# Altium PCB PCB2.PcbDoc (part 3 of 3)
Units mil, origin at the board's own origin, x right, y up, seen from the top; angles counter-clockwise.
Board outline 1953.01 x 1952 mil, 6 copper layers (Top Layer, Layer 1, Layer 3, Layer 4, Layer 2, Bottom Layer), stack 46.352 mil thick; 47 components, 102 nets, 392 pads, 264 vias.
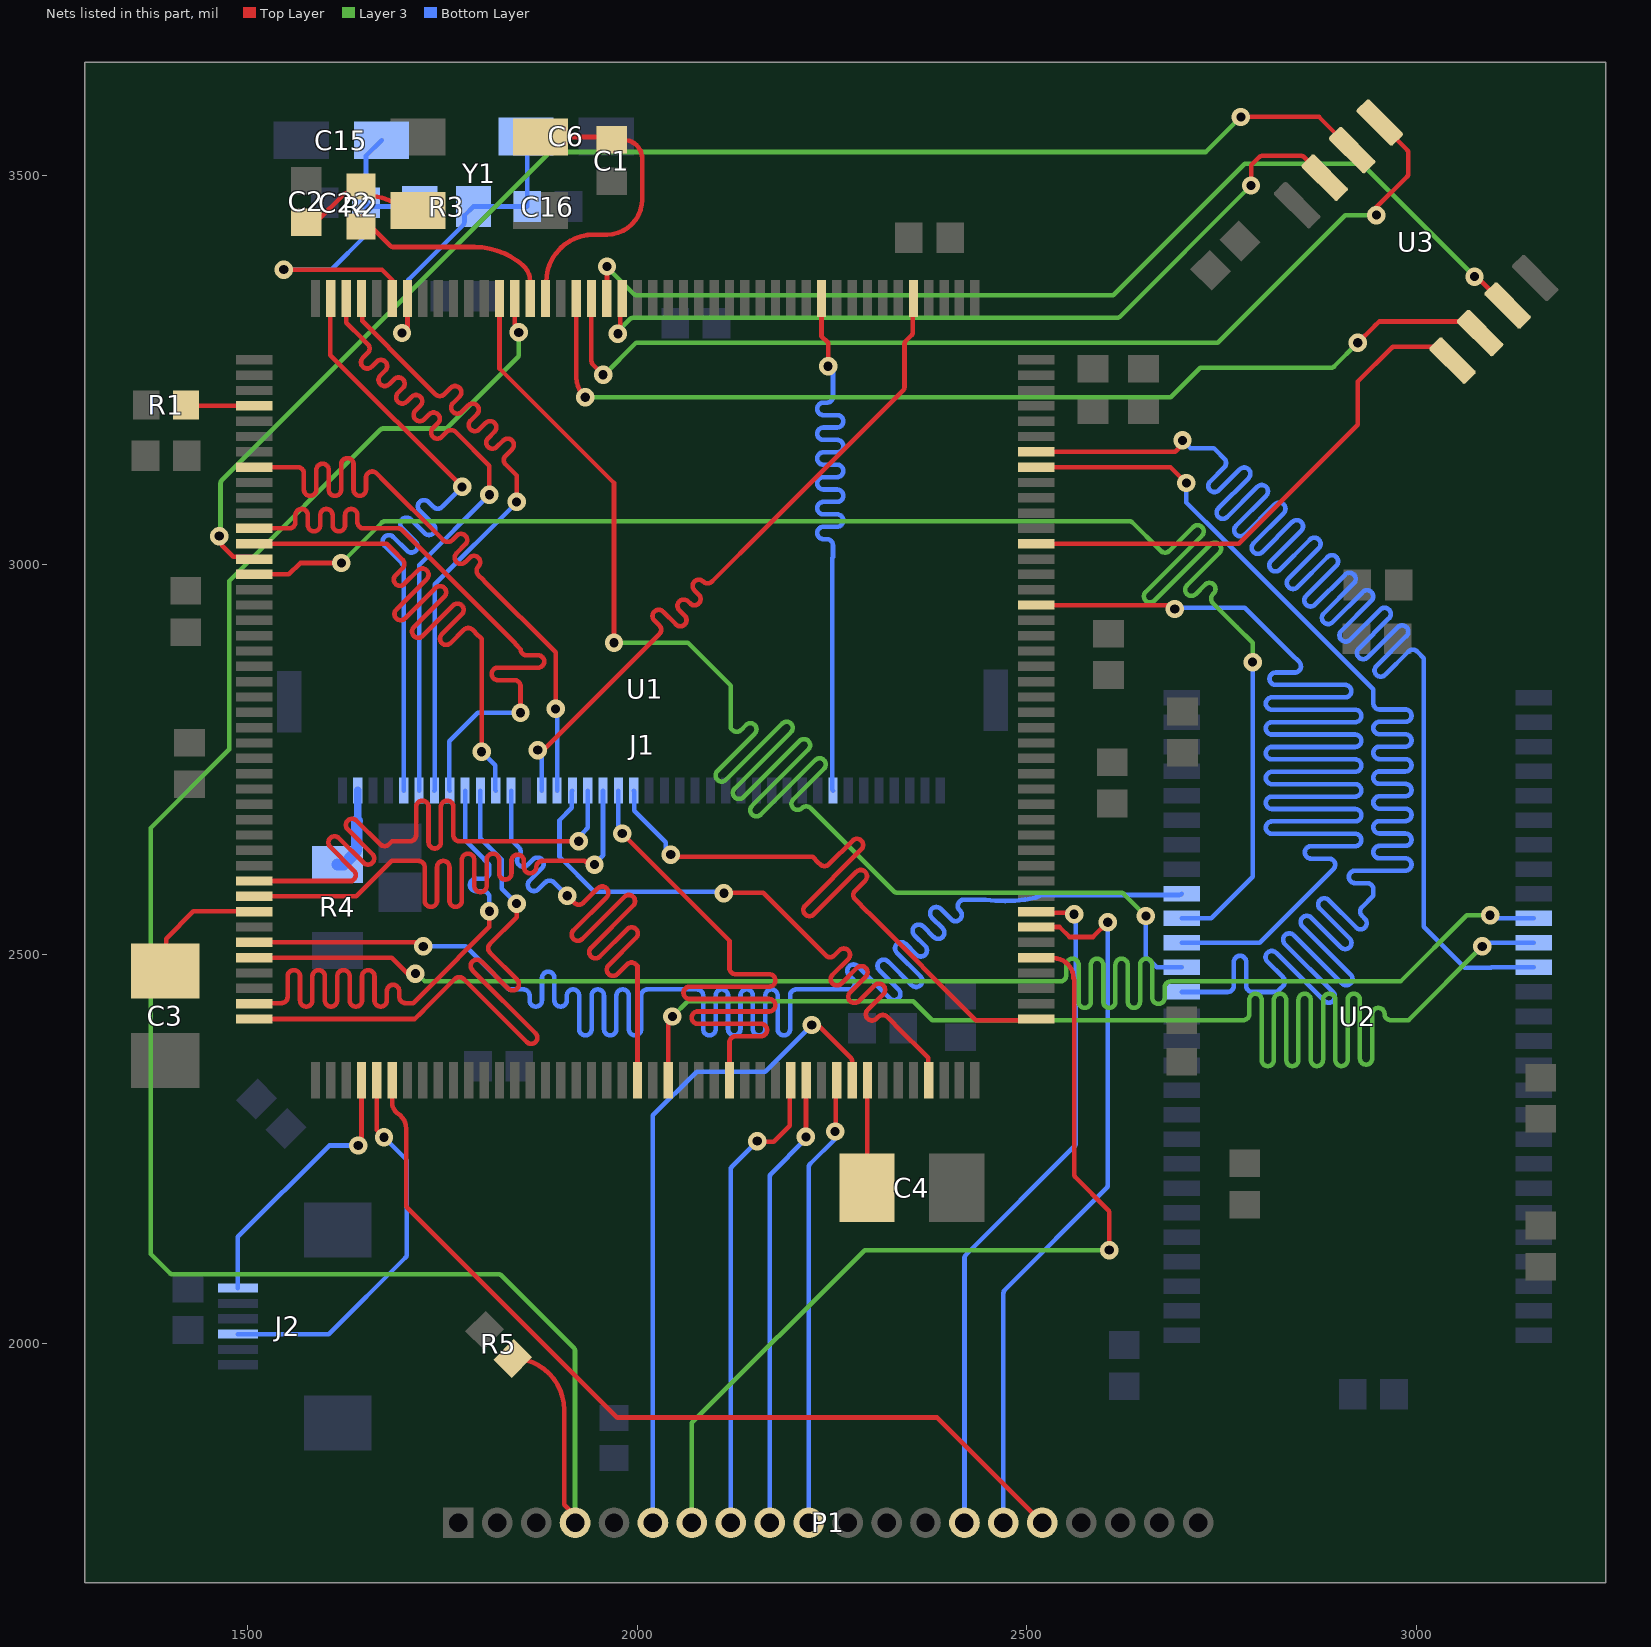
[diagram p7: the nets of this part, all layers, seen from the top]

## Via types
v1: diameter 23.62, hole 11.81, Top Layer to Bottom Layer, tented both sides, 264 vias

## Nets (pads, with @x,y where several pads share a name; then routed paths per layer and width w, separated by ;. In a path a pad name is that pad's centre, name@x,y a point inside that pad or via, vN(x,y) a via of type N, cw(c..) or ccw(c..) an arc to the next point about the centre after c; other vN are vias at no path point) (continued)
LCD_G1: J1.14 U1.5 | length 946.1
  Top Layer w5.93: v1(1872.07,2762.07) 1879.35,2762.07 2026.14,2908.86 2028.24,2910.96 ccw(c2022.61,2916.59) 2028.24,2922.22 2021.82,2928.63 cw(c2027.45,2934.26) 2021.82,2939.9 cw(c2027.45,2934.26) 2033.08,2939.9 2049.6,2923.38 ccw(c2055.23,2929.02) 2060.86,2923.38 ccw(c2055.23,2929.02) 2060.86,2934.65 2053.79,2941.72 cw(c2059.42,2947.35) 2053.79,2952.98 cw(c2059.42,2947.35) 2065.05,2952.98 2067.66,2950.37 ccw(c2073.29,2956.01) 2078.92,2950.37 ccw(c2073.29,2956.01) 2078.92,2961.64 2073.29,2967.27 cw(c2078.92,2972.9) 2073.29,2978.53 cw(c2078.92,2972.9) 2084.55,2978.53 ccw(c2090.18,2984.16) 2095.81,2978.53 2166.14,3048.86 2341.26,3223.98 ccw(c2337.07,3228.17) 2343,3228.17 2343,3283.11 cw(c2348.93,3283.11) 2344.74,3287.3 2352.03,3294.6 ccw(c2347.84,3298.79) 2353.77,3298.79 2353.77,3341.25 U1.5@2354.49,3341.97
  Bottom Layer w5.93: v1(1872.07,2762.07) 1872.07,2757.28 1877.2,2752.14 J1.14@1877.2,2710
LCD_G2: J1.15 U1.52 | length 936.9
  Top Layer w5.93: U1.52@1508.03,3125.43 1545,3125.43 1563.89,3125.43 cw(c1563.89,3117.47) 1571.86,3117.47 1571.86,3096.4 ccw(c1579.82,3096.4) 1587.78,3096.4 1587.78,3121.81 cw(c1595.75,3121.81) 1603.71,3121.81 1603.71,3096.4 ccw(c1611.68,3096.4) 1619.64,3096.4 1619.64,3129.09 cw(c1627.6,3129.09) 1635.57,3129.09 1635.57,3096.4 ccw(c1643.53,3096.4) 1651.5,3096.4 1651.5,3111.8 cw(c1659.46,3111.8) 1665.09,3117.43 1675,3107.53 1748.76,3033.76 1750.86,3031.67 ccw(c1756.49,3037.3) 1762.12,3031.67 1767.85,3037.39 cw(c1773.48,3031.76) 1779.11,3037.39 cw(c1773.48,3031.76) 1779.11,3026.13 1767.75,3014.77 ccw(c1773.38,3009.14) 1767.75,3003.51 ccw(c1773.38,3009.14) 1779.01,3003.51 1784.65,3009.14 cw(c1790.28,3003.51) 1795.91,3009.14 cw(c1790.28,3003.51) 1795.91,2997.88 ccw(c1801.54,2992.25) 1795.91,2986.62 1801.99,2980.53 1804.09,2978.44 1895,2887.53 v1(1895,2815)
  Bottom Layer w5.93: v1(1895,2815) 1896.89,2813.11 J1.15@1896.89,2710
LCD_G3: J1.16 U1.129 | length 920.7
  Top Layer w5.93: v1(2111.19,2578.33) 2111.62,2578.77 2161.59,2578.77 2239.76,2500.6 2241.85,2498.5 ccw(c2247.48,2504.13) 2253.11,2498.5 2259.53,2504.92 cw(c2265.16,2499.29) 2270.79,2504.92 cw(c2265.16,2499.29) 2270.79,2493.65 2250.62,2473.48 ccw(c2256.25,2467.85) 2250.62,2462.22 ccw(c2256.25,2467.85) 2261.88,2462.22 2282.05,2482.39 cw(c2287.69,2476.76) 2293.32,2482.39 cw(c2287.69,2476.76) 2293.32,2471.13 2273.14,2450.95 ccw(c2278.77,2445.32) 2273.14,2439.69 ccw(c2278.77,2445.32) 2284.4,2439.69 2304.58,2459.87 cw(c2310.21,2454.23) 2315.84,2459.87 cw(c2310.21,2454.24) 2315.84,2448.6 2295.67,2428.43 ccw(c2301.3,2422.8) 2295.67,2417.17 ccw(c2301.3,2422.8) 2306.93,2417.17 2309.43,2419.66 cw(c2315.06,2414.03) 2320.69,2419.66 2329.94,2410.42 2332.03,2408.32 2373.45,2366.9 2373.45,2338.75 U1.129@2374.17,2338.03
  Bottom Layer w5.93: J1.16@1916.57,2710 1915.76,2709.18 1915.76,2687.9 1900,2672.14 1900,2624.96 1944.74,2580.23 2105.23,2580.23 2107.12,2578.33 v1(2111.19,2578.33)
LCD_G4: J1.17 U1.79 | length 919.2
  Top Layer w5.93: U1.79@1508.03,2593.94 1633.94,2593.94 1636.03,2596.03 ccw(c1630.4,2601.66) 1636.03,2607.3 1605.58,2637.75 cw(c1611.21,2643.38) 1605.58,2649.02 cw(c1611.21,2643.38) 1616.84,2649.02 1648.53,2617.32 ccw(c1654.16,2622.95) 1659.8,2617.32 ccw(c1654.16,2622.95) 1659.8,2628.58 1628.1,2660.28 cw(c1633.73,2665.91) 1628.1,2671.54 cw(c1633.73,2665.91) 1639.36,2671.54 1669.82,2641.08 ccw(c1675.45,2646.72) 1681.08,2641.08 1685,2645 1700,2645 1705,2645 1707.96,2645 ccw(c1707.96,2652.96) 1715.93,2652.96 1715.93,2689.08 cw(c1723.89,2689.08) 1731.86,2689.08 1731.86,2643.67 ccw(c1739.82,2643.67) 1747.78,2643.67 1747.78,2689.08 cw(c1755.75,2689.08) 1763.71,2689.08 1763.71,2652.96 ccw(c1771.68,2652.96) 1771.68,2645 1784.14,2645 v1(1924.77,2645)
  Bottom Layer w5.93: v1(1924.77,2645) 1924.77,2649.79 1930.33,2655.34 1930.33,2656.21 1936.26,2662.15 J1.17@1936.26,2710
LCD_G5: J1.18 U1.80 | length 938
  Top Layer w5.93: U1.80@1508.03,2574.25 1639.25,2574.25 1684.77,2619.77 1700,2619.77 1718.89,2619.77 cw(c1718.89,2611.81) 1726.86,2611.81 1726.86,2568.74 ccw(c1734.82,2568.74) 1742.78,2568.74 1742.78,2611.83 cw(c1750.75,2611.83) 1758.71,2611.83 1758.71,2568.74 ccw(c1766.68,2568.74) 1774.64,2568.74 1774.64,2621.11 cw(c1782.6,2621.11) 1790.57,2621.11 1790.57,2587.74 ccw(c1798.53,2587.74) 1806.5,2587.74 1806.5,2621.11 cw(c1814.46,2621.11) 1822.42,2621.11 1822.42,2603.76 ccw(c1830.39,2603.76) 1838.35,2603.76 1838.35,2619.78 cw(c1846.31,2619.78) 1854.28,2619.78 1854.28,2611.81 ccw(c1862.24,2611.81) 1870.21,2611.81 cw(c1878.17,2611.81) 1878.17,2619.77 1890,2619.77 1932.68,2619.77 1934.07,2618.39 1941.61,2618.39 v1(1945,2615)
  Bottom Layer w5.93: v1(1945,2615) 1945,2616.21 1955.94,2627.16 J1.18@1955.94,2710
LCD_G6: J1.19 U1.116 | length 937.7
  Top Layer w5.93: v1(1980.72,2655) 2118.27,2517.45 2118.27,2485.18 2118.27,2482.21 ccw(c2126.23,2482.21) 2126.23,2474.25 2169.3,2474.25 cw(c2169.3,2466.29) 2169.3,2458.32 2067.23,2458.32 ccw(c2067.23,2450.36) 2067.23,2442.39 2169.3,2442.39 cw(c2169.3,2434.43) 2169.3,2426.47 2077.74,2426.47 ccw(c2077.74,2418.5) 2077.74,2410.54 2158.66,2410.54 cw(c2158.66,2402.57) 2158.66,2394.61 2126.23,2394.61 ccw(c2126.23,2386.65) 2118.27,2386.65 2118.27,2368.78 U1.116@2118.27,2338.03
  Bottom Layer w5.93: J1.19@1975.63,2710 1975.63,2664.88 1980.72,2659.79 v1(1980.72,2655)
LCD_G7: J1.20 U1.133 | length 938.3
  Top Layer w5.93: v1(2042.88,2627.88) 2045.76,2625 2225,2625 2232.5,2617.5 2234.6,2615.4 ccw(c2240.23,2621.04) 2245.86,2615.4 2276.32,2645.86 cw(c2281.95,2640.23) 2287.58,2645.86 cw(c2281.95,2640.23) 2287.58,2634.6 2215.4,2562.42 ccw(c2221.03,2556.79) 2215.4,2551.16 ccw(c2221.03,2556.79) 2226.66,2551.16 2281.3,2605.79 cw(c2286.93,2600.16) 2292.56,2605.79 cw(c2286.93,2600.16) 2292.56,2594.53 2279.65,2581.62 ccw(c2285.28,2575.98) 2279.65,2570.35 2295.43,2554.57 2297.53,2552.47 2434.78,2415.23 2510.42,2415.23 U1.133@2511.97,2416.77
  Bottom Layer w5.93: J1.20@1995.32,2710 1996.13,2709.18 1996.13,2684.38 2036.61,2643.89 2036.61,2631.35 2040.09,2627.88 v1(2042.88,2627.88)
LCD_R0: J1.5 U1.43 | length 919
  Top Layer w5.93: U1.43@1605.74,3341.97 1605.74,3269.26 v1(1775.02,3100.02)
  Bottom Layer w5.93: J1.5@1700.04,2710 1700.04,2989.96 1700.04,2994.15 1700.04,2994.2 ccw(c1686.44,2994.15) 1696.02,3003.8 1675.37,3024.46 cw(c1681,3030.09) 1675.37,3035.72 cw(c1681,3030.09) 1686.63,3035.72 1704.28,3018.07 ccw(c1709.91,3023.7) 1715.54,3018.07 ccw(c1709.91,3023.7) 1715.54,3029.33 1697.89,3046.98 cw(c1703.52,3052.61) 1697.89,3058.25 cw(c1703.52,3052.61) 1709.15,3058.25 1726.81,3040.59 ccw(c1732.44,3046.22) 1738.07,3040.59 ccw(c1732.44,3046.22) 1738.07,3051.86 1720.42,3069.51 cw(c1726.05,3075.14) 1720.42,3080.77 cw(c1726.05,3075.14) 1731.68,3080.77 1738.09,3074.36 ccw(c1743.72,3079.99) 1749.36,3074.36 1765,3090 v1(1775.02,3100.02)
LCD_R1: J1.6 U1.42 | length 927.2
  Top Layer w5.93: U1.42@1626.14,3341.97 1626.14,3310.98 1636.06,3301.06 1638.16,3298.96 1653.84,3283.28 cw(c1648.21,3277.65) 1653.84,3272.02 1647.42,3265.61 ccw(c1653.05,3259.97) 1647.42,3254.34 ccw(c1653.05,3259.97) 1658.69,3254.34 1665.1,3260.76 cw(c1670.73,3255.13) 1676.36,3260.76 cw(c1670.73,3255.13) 1676.36,3249.5 1669.95,3243.08 ccw(c1675.58,3237.45) 1669.95,3231.82 ccw(c1675.58,3237.45) 1681.21,3231.82 1687.63,3238.23 cw(c1693.26,3232.6) 1698.89,3238.23 cw(c1693.26,3232.6) 1698.89,3226.97 1692.47,3220.55 ccw(c1698.1,3214.92) 1692.47,3209.29 ccw(c1698.1,3214.92) 1703.74,3209.29 1710.15,3215.71 cw(c1715.78,3210.08) 1721.41,3215.71 cw(c1715.78,3210.08) 1721.41,3204.44 1715,3198.03 ccw(c1720.63,3192.4) 1715,3186.77 ccw(c1720.63,3192.4) 1726.26,3186.77 1732.68,3193.18 cw(c1738.31,3187.55) 1743.94,3193.18 cw(c1738.31,3187.55) 1743.94,3181.92 1737.52,3175.5 ccw(c1743.16,3169.87) 1737.52,3164.24 ccw(c1743.16,3169.87) 1748.79,3164.24 1755.2,3170.66 cw(c1760.83,3165.03) 1766.46,3170.66 1768.56,3168.56 1810,3127.12 v1(1810,3090)
  Bottom Layer w5.93: J1.6@1719.72,2710 1719.72,2999.72 v1(1810,3090)
LCD_R2: J1.7 U1.41 | length 924.6
  Top Layer w5.93: U1.41@1646.55,3341.97 1646.55,3313.1 1714.82,3244.82 1716.92,3242.73 1740.73,3218.91 ccw(c1746.36,3224.55) 1751.99,3218.91 1760.3,3227.22 cw(c1765.93,3221.59) 1771.56,3227.22 cw(c1765.93,3221.59) 1771.56,3215.96 1763.22,3207.62 ccw(c1768.86,3201.99) 1763.22,3196.36 ccw(c1768.86,3201.99) 1774.49,3196.36 1782.83,3204.7 cw(c1788.46,3199.06) 1794.09,3204.7 cw(c1788.46,3199.06) 1794.09,3193.43 1785.78,3185.13 ccw(c1791.41,3179.5) 1785.78,3173.86 ccw(c1791.41,3179.5) 1797.05,3173.86 1805.35,3182.17 cw(c1810.98,3176.54) 1816.61,3182.17 cw(c1810.98,3176.54) 1816.61,3170.91 1808.31,3162.6 ccw(c1813.94,3156.97) 1808.31,3151.34 ccw(c1813.94,3156.97) 1819.57,3151.34 1827.88,3159.65 cw(c1833.51,3154.01) 1839.14,3159.65 cw(c1833.51,3154.01) 1839.14,3148.38 1830.83,3140.08 ccw(c1836.46,3134.44) 1830.83,3128.81 1845,3114.65 1845,3105 v1(1845,3080.7)
  Bottom Layer w5.93: J1.7@1739.41,2710 1739.77,2710.37 1739.77,2974.77 1843.67,3078.67 v1(1845,3080.7)
LCD_R3: J1.8 U1.56 | length 896.9
  Top Layer w5.93: U1.56@1508.03,3046.69 1550,3046.69 1552.96,3046.69 ccw(c1552.96,3054.66) 1560.93,3054.66 1560.93,3063.73 cw(c1568.89,3063.73) 1576.86,3063.73 1576.86,3050.9 ccw(c1584.82,3050.9) 1592.78,3050.9 1592.78,3063.73 cw(c1600.75,3063.73) 1608.71,3063.73 1608.71,3050.9 ccw(c1616.68,3050.9) 1624.64,3050.9 1624.64,3063.73 cw(c1632.6,3063.73) 1640.57,3063.73 1640.57,3054.66 ccw(c1648.53,3054.66) 1648.53,3046.69 1662.5,3046.69 1693.11,3046.69 cw(c1693.11,3040.77) 1697.33,3044.93 1843,2899 1843,2898.76 1850,2891.76 ccw(c1857.96,2891.76) 1857.96,2883.8 1872.48,2883.8 cw(c1872.48,2875.83) 1872.48,2867.87 1820.89,2867.87 ccw(c1820.89,2859.91) 1820.89,2851.94 1842.04,2851.94 cw(c1842.04,2843.98) 1850,2843.98 1850,2825 v1(1850,2810)
  Bottom Layer w5.93: J1.8@1759.1,2710 1758.28,2710.82 1758.28,2773.28 1795,2810 v1(1850,2810)
LCD_R4: J1.9 U1.87 | length 920.5
  Top Layer w5.93: U1.87@1508.03,2437.18 1540,2437.18 1542.96,2437.18 ccw(c1542.96,2445.14) 1550.93,2445.14 1550.93,2471.62 cw(c1558.89,2471.62) 1566.86,2471.62 1566.86,2440.66 ccw(c1574.82,2440.66) 1582.78,2440.66 1582.78,2471.62 cw(c1590.75,2471.62) 1598.71,2471.62 1598.71,2440.66 ccw(c1606.68,2440.66) 1614.64,2440.66 1614.64,2471.62 cw(c1622.6,2471.62) 1630.57,2471.62 1630.57,2440.66 ccw(c1638.53,2440.66) 1646.5,2440.66 1646.5,2471.62 cw(c1654.46,2471.62) 1662.42,2471.62 1662.42,2440.66 ccw(c1670.39,2440.66) 1678.35,2440.66 1678.35,2452.72 cw(c1686.31,2452.72) 1694.28,2452.72 1694.28,2445.14 ccw(c1702.24,2445.14) 1702.24,2437.18 1712.21,2437.18 1730,2454.96 1810,2534.96 v1(1810,2555)
  Bottom Layer w5.93: J1.9@1778.78,2710 1778.78,2646.22 1795,2630 1810,2615 1810,2604.82 cw(c1802.04,2604.82) 1802.04,2596.86 1792.96,2596.86 ccw(c1792.96,2588.89) 1792.96,2580.93 1802.04,2580.93 cw(c1802.04,2572.96) 1810,2572.96 1810,2570 v1(1810,2555)
LCD_R5: J1.10 U1.88 | length 936.9
  Top Layer w5.93: U1.88@1508.03,2416.77 1714.33,2416.77 1722.34,2424.77 1729.84,2432.28 1765.73,2468.17 cw(c1771.36,2462.53) 1776.99,2468.17 1857.97,2387.18 ccw(c1863.61,2392.81) 1869.24,2387.18 ccw(c1863.61,2392.81) 1869.24,2398.44 1788.25,2479.43 cw(c1793.88,2485.06) 1788.25,2490.69 cw(c1793.88,2485.06) 1799.52,2490.69 1834.35,2455.86 ccw(c1839.98,2461.49) 1845.61,2455.86 ccw(c1839.98,2461.49) 1845.61,2467.12 1810.78,2501.95 cw(c1816.41,2507.59) 1810.78,2513.22 1845,2547.44 1845,2556.22 v1(1845,2565)
  Bottom Layer w5.93: J1.10@1798.46,2710 1798.46,2649.06 1825.93,2621.6 1825.93,2584.07 v1(1845,2565)
LCD_R6: J1.11 U1.57 | length 937.2
  Top Layer w5.93: U1.57@1508.03,3027.01 1678.03,3027.01 1685.02,3020.02 1687.11,3017.92 1698.38,3006.66 cw(c1692.75,3001.03) 1698.38,2995.4 1689.64,2986.66 ccw(c1695.27,2981.03) 1689.64,2975.4 ccw(c1695.27,2981.03) 1700.9,2975.4 1718.36,2992.85 cw(c1723.99,2987.22) 1729.62,2992.85 cw(c1723.99,2987.22) 1729.62,2981.59 1690.45,2942.41 ccw(c1696.08,2936.78) 1690.45,2931.15 ccw(c1696.08,2936.78) 1701.71,2931.15 1740.88,2970.33 cw(c1746.52,2964.7) 1752.15,2970.33 cw(c1746.52,2964.7) 1752.15,2959.07 1712.97,2919.89 ccw(c1718.6,2914.26) 1712.97,2908.63 ccw(c1718.6,2914.26) 1724.23,2908.63 1763.41,2947.8 cw(c1769.04,2942.17) 1774.67,2947.8 cw(c1769.04,2942.17) 1774.67,2936.54 1748.83,2910.7 ccw(c1754.46,2905.07) 1748.83,2899.44 ccw(c1754.46,2905.07) 1760.1,2899.44 1777.22,2916.56 cw(c1782.85,2910.93) 1788.48,2916.56 1795.28,2909.75 1797.38,2907.66 1800,2905.04 v1(1800,2760)
  Bottom Layer w5.93: v1(1800,2760) 1817.33,2742.67 1817.33,2710.82 J1.11@1818.15,2710
LCD_R7: J1.12 U1.110 | length 941.1
  Top Layer w5.93: v1(1910,2575) 1910.72,2574.28 1912.82,2572.18 1919.22,2565.78 ccw(c1924.85,2571.41) 1930.49,2565.78 1949.3,2584.59 cw(c1954.93,2578.96) 1960.56,2584.59 cw(c1954.93,2578.96) 1960.56,2573.33 1918.03,2530.8 ccw(c1923.66,2525.16) 1918.03,2519.53 ccw(c1923.66,2525.16) 1929.29,2519.53 1983.47,2573.71 cw(c1989.1,2568.08) 1994.73,2573.71 cw(c1989.1,2568.08) 1994.73,2562.45 1940.55,2508.27 ccw(c1946.19,2502.64) 1940.55,2497.01 ccw(c1946.19,2502.64) 1951.82,2497.01 1987.02,2532.21 cw(c1992.65,2526.58) 1998.28,2532.21 cw(c1992.65,2526.58) 1998.28,2520.95 1963.08,2485.75 ccw(c1968.71,2480.11) 1963.08,2474.48 ccw(c1968.71,2480.11) 1974.34,2474.48 1986.8,2486.94 cw(c1992.43,2481.31) 1998.06,2486.94 2000.16,2484.84 U1.110@2000.16,2338.03
  Bottom Layer w5.93: J1.12@1837.83,2710 1837.83,2647.17 1838.67,2646.33 1840.76,2644.24 1847.85,2637.15 cw(c1842.22,2631.52) 1847.85,2625.88 ccw(c1853.48,2620.25) 1847.85,2614.62 ccw(c1853.48,2620.25) 1859.12,2614.62 1866.21,2621.72 cw(c1871.84,2616.08) 1877.47,2621.72 cw(c1871.84,2616.08) 1877.47,2610.45 1861.66,2594.64 ccw(c1867.29,2589.01) 1861.66,2583.38 ccw(c1867.29,2589.01) 1872.92,2583.38 1881.64,2592.1 cw(c1887.27,2586.46) 1892.9,2592.1 1895,2590 v1(1910,2575)
NBL0: U1.169 U2.15 | length 2480.9
  Top Layer w5.93: U1.169@2511.97,3125.43 2684.57,3125.43 v1(2705,3105)
  Bottom Layer w5.93: U2.15@2699,2451.5 2755,2451.5 2757.96,2451.5 ccw(c2757.96,2459.46) 2765.93,2459.46 2765.93,2489.98 cw(c2773.89,2489.98) 2781.86,2489.98 2781.86,2459.46 ccw(c2789.82,2459.46) 2789.82,2451.5 2821.5,2451.5 2827.04,2457.04 2829.13,2459.13 ccw(c2823.5,2464.77) 2829.13,2470.4 2808.94,2490.6 cw(c2814.57,2496.23) 2808.94,2501.86 cw(c2814.57,2496.23) 2820.2,2501.86 2882.12,2439.94 ccw(c2887.75,2445.57) 2893.38,2439.94 ccw(c2887.75,2445.57) 2893.38,2451.2 2831.46,2513.12 cw(c2837.09,2518.75) 2831.46,2524.39 cw(c2837.09,2518.75) 2842.72,2524.39 2904.64,2462.47 ccw(c2910.27,2468.1) 2915.9,2462.47 ccw(c2910.27,2468.1) 2915.9,2473.73 2853.99,2535.65 cw(c2859.62,2541.28) 2853.99,2546.91 cw(c2859.62,2541.28) 2865.25,2546.91 2903.33,2508.83 ccw(c2908.96,2514.46) 2914.59,2508.83 ccw(c2908.96,2514.46) 2914.59,2520.09 2876.51,2558.17 cw(c2882.14,2563.8) 2876.51,2569.44 cw(c2882.14,2563.8) 2887.77,2569.44 2922.95,2534.25 ccw(c2928.59,2539.89) 2934.22,2534.25 ccw(c2928.59,2539.89) 2934.22,2545.52 2930.5,2549.24 cw(c2936.13,2554.87) 2930.5,2560.5 2945,2575 2945,2580.33 2945,2583.3 ccw(c2937.04,2583.3) 2937.04,2591.26 2921.58,2591.26 cw(c2921.58,2599.22) 2921.58,2607.19 2986.11,2607.19 ccw(c2986.11,2615.15) 2986.11,2623.12 2952.96,2623.12 cw(c2952.96,2631.08) 2952.96,2639.04 2986.11,2639.04 ccw(c2986.11,2647.01) 2986.11,2654.97 2952.96,2654.97 cw(c2952.96,2662.94) 2952.96,2670.9 2986.11,2670.9 ccw(c2986.11,2678.86) 2986.11,2686.83 2952.96,2686.83 cw(c2952.96,2694.79) 2952.96,2702.76 2986.11,2702.76 ccw(c2986.11,2710.72) 2986.11,2718.68 2952.96,2718.68 cw(c2952.96,2726.65) 2952.96,2734.61 2986.11,2734.61 ccw(c2986.11,2742.58) 2986.11,2750.54 2952.96,2750.54 cw(c2952.96,2758.5) 2952.96,2766.47 2986.11,2766.47 ccw(c2986.11,2774.43) 2986.11,2782.39 2952.96,2782.39 cw(c2952.96,2790.36) 2952.96,2798.32 2986.11,2798.32 ccw(c2986.11,2806.29) 2986.11,2814.25 2952.96,2814.25 cw(c2952.96,2822.21) 2945,2822.21 2945,2840 2730,3055 ; v1(2705,3105) 2705,3080 2732.1,3052.9
NBL1: U1.170 U2.39 | length 2477.6
  Top Layer w5.93: U1.170@2511.97,3145.12 2512.09,3145 2690.63,3145 2696.61,3150.98 2696.61,3156.13 2700,3159.52 v1(2700,3159.7)
  Bottom Layer w5.93: v1(2700,3159.7) 2700.3,3159.7 2710.23,3149.77 2740.26,3149.77 2742.36,3147.68 2753.62,3136.42 cw(c2747.99,3130.78) 2753.62,3125.15 2735.41,3106.94 ccw(c2741.04,3101.31) 2735.41,3095.68 ccw(c2741.04,3101.31) 2746.67,3095.68 2773.6,3122.61 cw(c2779.23,3116.98) 2784.86,3122.61 cw(c2779.23,3116.98) 2784.87,3111.35 2746.15,3072.63 ccw(c2751.78,3067) 2746.15,3061.37 ccw(c2751.78,3067) 2757.42,3061.37 2796.13,3100.08 cw(c2801.76,3094.45) 2807.39,3100.08 cw(c2801.76,3094.45) 2807.39,3088.82 2768.68,3050.11 ccw(c2774.31,3044.48) 2768.68,3038.85 ccw(c2774.31,3044.48) 2779.94,3038.85 2818.65,3077.56 cw(c2824.28,3071.93) 2829.92,3077.56 cw(c2824.28,3071.93) 2829.92,3066.3 2791.2,3027.58 ccw(c2796.83,3021.95) 2791.2,3016.32 ccw(c2796.83,3021.95) 2802.47,3016.32 2841.18,3055.03 cw(c2846.81,3049.4) 2852.44,3055.03 cw(c2846.81,3049.4) 2852.44,3043.77 2813.73,3005.06 ccw(c2819.36,2999.43) 2813.73,2993.8 ccw(c2819.36,2999.43) 2824.99,2993.8 2863.7,3032.51 cw(c2869.34,3026.88) 2874.97,3032.51 cw(c2869.33,3026.88) 2874.97,3021.25 2836.25,2982.53 ccw(c2841.89,2976.9) 2836.25,2971.27 ccw(c2841.89,2976.9) 2847.52,2971.27 2886.23,3009.98 cw(c2891.86,3004.35) 2897.49,3009.98 cw(c2891.86,3004.35) 2897.49,2998.72 2858.78,2960.01 ccw(c2864.41,2954.38) 2858.78,2948.75 ccw(c2864.41,2954.38) 2870.04,2948.75 2908.75,2987.46 cw(c2914.39,2981.83) 2920.02,2987.46 cw(c2914.39,2981.83) 2920.02,2976.2 2881.3,2937.48 ccw(c2886.94,2931.85) 2881.3,2926.22 ccw(c2886.94,2931.85) 2892.57,2926.22 2931.28,2964.93 cw(c2936.91,2959.3) 2942.54,2964.93 cw(c2936.91,2959.3) 2942.54,2953.67 2903.83,2914.96 ccw(c2909.46,2909.33) 2903.83,2903.7 ccw(c2909.46,2909.33) 2915.09,2903.7 2953.8,2942.41 cw(c2959.44,2936.78) 2965.07,2942.41 cw(c2959.44,2936.78) 2965.07,2931.14 2926.36,2892.43 ccw(c2931.99,2886.8) 2926.36,2881.17 ccw(c2931.99,2886.8) 2937.62,2881.17 2976.33,2919.88 cw(c2981.96,2914.25) 2987.59,2919.88 cw(c2981.96,2914.25) 2987.59,2908.62 2948.88,2869.91 ccw(c2954.51,2864.28) 2948.88,2858.64 ccw(c2954.51,2864.28) 2960.14,2858.64 2990.14,2888.64 cw(c2995.77,2883.01) 3001.4,2888.64 3010,2880.04 3010,2870 3010,2535 3062.54,2482.46 3096.24,2482.46 3096.77,2482.99 U2.39@3151,2482.99
NetC2_2: C2.2 R2.1 Y1.3 | length 187.6
  Top Layer w5.93: C2.2@1575,3440 1584.95,3440 ccw(c1584.95,3445.93) 1589.14,3441.74 1622.84,3475.44 cw(c1627.05,3471.26) 1626.62,3477.18 ccw(c1624.5,3506.09) R2.1@1645,3485.59 R2.1@1648.17,3477.94 ; R2.1@1648.18,3477.92 ccw(c1653.64,3480.21) 1653.37,3474.29 cw(c1649.64,3392.37) 1704.94,3452.93 ccw(c1708.93,3457.31) 1711.2,3451.83 Y1.3@1718.26,3454.76 ; Y1.3@1716.26,3452.76 Y1.3@1726.26,3442.76
NetC3_1: C3.1 U1.81 | length 165.2
  Top Layer w5.93: C3.1@1395,2482.48 1395,2520 1430,2555 1507.6,2555 U1.81@1508.03,2554.57
NetC4_1: C4.1 U1.125 | length 138.1
  Top Layer w5.93: C4.1@2295.04,2200 ccw(c2289.51,2202.12) 2295.43,2202.16 U1.125@2295.43,2338.03
NetJ1_2: J1.2 R4.2 | length 109.6
  Bottom Layer w10: 1639.98,2670.98 1640.98,2671.98 J1.2@1640.98,2710
  Bottom Layer w15: R4.2@1615,2615.12 1622.88,2615.12 1635.4,2627.64 ccw(c1624.8,2638.25) 1639.8,2638.25 1639.8,2668.64 cw(c1654.8,2668.64) 1639.86,2670.04 1639.95,2670.95
NetR1_2: R1.2 U1.48 | length 87.8
  Top Layer w5.93: R1.2@1420.59,3205 1421.42,3204.17 U1.48@1508.03,3204.17
NRST: P1.4 R5.1 U1.31 | length 2545
  Top Layer w5.93: R5.1@1840.1,1980.9 cw(c1840.1,1915) 1906,1915 1906,1793.05 1920,1779.05 P1.4@1920,1770 ; U1.31@1842.68,3341.97 1842.68,3308.3 1847.77,3303.21 v1(1847.77,3298.42)
  Layer 3 w5.93: v1(1847.77,3298.42) 1847.77,3270.22 cw(c1841.84,3270.22) 1846.02,3266.02 1756.74,3176.74 cw(c1752.54,3180.93) 1752.54,3175 1674.17,3175 ccw(c1674.17,3169.07) 1669.98,3173.26 1475.86,2979.14 1475.86,2762.88 1375,2662.02 1375,2115 1399.26,2090.74 ccw(c1403.46,2094.93) 1403.46,2089 1821.54,2089 cw(c1821.54,2083.07) 1825.74,2087.26 1918.24,1994.76 cw(c1914.07,1990.54) 1920,1990.54 P1.4@1920,1770
OSC_IN: C1.2 U1.29 Y1.1 | length 403.4
  Top Layer w5.93: Y1.1@1875.74,3549.24 1963.33,3549.24 C1.2@1967,3545.57 1982.15,3545.57 cw(c1982.15,3521.53) 2006.19,3521.53 2006.19,3469.19 cw(c1960.99,3469.19) 1960.99,3423.99 1943.99,3423.99 ccw(c1943.99,3363) 1883,3363 1883,3342.92 cw(c1882.05,3342.92) U1.29@1882.05,3341.97
OSC_OUT: R2.2 U1.30 | length 269.5
  Top Layer w5.93: R2.2@1645,3434.41 1655.47,3434.41 cw(c1655.47,3428.48) 1659.68,3432.65 1682.6,3409.74 ccw(c1686.79,3413.93) 1686.79,3408 1791,3408 cw(c1790.96,3314.21) 1853.53,3384.08 ; 1853.55,3384.06 cw(c1835.56,3364.2) 1862.36,3364.22 1862.36,3364.15 U1.30@1862.36,3341.97
QSPI_CLK: U1.58 U3.6 | length 1800.8
  Top Layer w5.78: v1(2775,3575) 2875.36,3575 U3.6@2917.88,3532.48
  Top Layer w5.93: v1(1463.06,3036.85) 1466.45,3033.46 1466.45,3025 1481.09,3010.36 1505,3010.36 U1.58@1508.03,3007.32
  Layer 3 w5.78: 2730,3530 v1(2775,3575)
  Layer 3 w5.93: v1(1463.06,3036.85) 1460.32,3036.85 1464.77,3041.3 1464.77,3104.32 cw(c1470.7,3104.32) 1466.52,3108.52 1886.26,3528.26 cw(c1890.46,3524.07) 1890.46,3530 2730,3530
QSPI_CS: U1.164 U3.1 | length 678.9
  Top Layer w5.93: U1.164@2511.97,3027.01 2772.01,3027.01 2925,3180 2925,3235.36 2967.91,3278.26 cw(c2972.1,3274.07) 2972.1,3280 3026.48,3280 cw(c3026.48,3274.07) 3030.67,3278.26 U3.1@3046.77,3262.16
QSPI_ISO0: U1.26 U3.5 | length 1332.4
  Top Layer w5.78: U1.26@1941.1,3341.97 1941.1,3261.29 ccw(c1946.88,3261.29) 1942.79,3257.21 v1(1956,3244)
  Top Layer w5.93: v1(2949,3449) 2949,3459 2988.26,3498.26 ccw(c2984.07,3502.46) 2990,3502.46 2990,3528.61 ccw(c2984.07,3528.61) 2988.26,3532.8 U3.5@2953.23,3567.84
  Layer 3 w5.78: v1(1956,3244) 1957.31,3244 1998.31,3285 2730,3285
  Layer 3 w5.93: 2730,3285 2745,3285 2909,3449 v1(2949,3449)
QSPI_ISO1: U1.27 U3.2 | length 1325.5
  Top Layer w5.78: v1(2925,3285) 2946.07,3306.07
  Top Layer w5.93: U1.27@1921.42,3341.97 1921.38,3341.6 ccw(c1927.29,3341.19) 1921.37,3341.19 1921.37,3240.43 ccw(c1961.2,3243.28) v1(1933,3215) v1(1933,3215) ; 2946.07,3306.07 2952.41,3312.41 3067.23,3312.41 U3.2@3082.12,3297.52
  Layer 3 w5.78: v1(1933,3215) 2685,3215 2722.9,3252.9 2890.5,3252.9 ccw(c2890.5,3258.68) 2894.59,3254.59 v1(2925,3285)
QSPI_ISO2: U1.25 U3.3 | length 1360.7
  Top Layer w5.93: U1.25@1960.79,3341.97 1958.2,3344.56 1961,3347.36 v1(1961,3383) ; v1(3075,3370) 3077.68,3370 3114.8,3332.88 U3.3@3117.48,3332.88
  Layer 3 w5.93: v1(1961,3383) 1961,3382.31 1995.57,3347.74 ccw(c1999.76,3351.93) 1999.76,3346 2611.04,3346 2780.04,3515 2930,3515 v1(3075,3370)
QSPI_ISO3: U1.24 U3.7 | length 1077.4
  Top Layer w5.78: v1(1975.03,3296.66) 1977.75,3299.38 1977.75,3339.25 U1.24@1980.47,3341.97 ; v1(2788,3487) 2788,3513 2798.31,3523.31 cw(c2802.39,3519.22) 2802.39,3525 2852.25,3525 cw(c2852.25,3519.22) 2856.33,3523.31 U3.7@2882.52,3497.12
  Layer 3 w5.78: v1(1975.03,3296.66) 1975.03,3300.03 1990.31,3315.31 cw(c1994.39,3311.22) 1994.39,3317 2615.61,3317 ccw(c2615.61,3322.78) 2619.69,3318.69 v1(2788,3487)
SDCKE1: U1.84 U2.37 | length 2126.3
  Top Layer w5.93: U1.84@1508.03,2495.51 1684.49,2495.51 1705,2475 v1(1715,2475)
  Layer 3 w5.78: v1(1715,2475) 1717.31,2475 1727.31,2465 2540,2465 2542.89,2465 ccw(c2542.89,2472.89) 2550.78,2472.89 2550.78,2486.33 cw(c2558.67,2486.33) 2566.56,2486.33 2566.56,2438.97 ccw(c2574.45,2438.97) 2582.35,2438.97 2582.35,2486.33 cw(c2590.24,2486.33) 2598.13,2486.33 2598.13,2438.97 ccw(c2606.02,2438.97) 2613.91,2438.97 2613.91,2486.33 cw(c2621.8,2486.33) 2629.69,2486.33 2629.69,2438.97 ccw(c2637.58,2438.97) 2645.47,2438.97 2645.47,2486.33 cw(c2653.36,2486.33) 2661.25,2486.33 2661.25,2444.01 ccw(c2669.14,2444.01) 2677.03,2444.01 2677.03,2457.11 cw(c2684.93,2457.11) 2684.93,2465 2735,2465 2980,2465 3065,2550 v1(3095,2550)
  Bottom Layer w5.93: v1(3095,2550) 3097.28,2547.72 ccw(c3101.47,2551.91) 3101.47,2545.98 U2.37@3151,2545.98
SDCLK: U1.112 U2.38 | length 2125.2
  Top Layer w5.93: U1.112@2039.53,2338.03 2039.53,2409.74 2045,2415.21 v1(2045,2420)
  Layer 3 w5.78: v1(2045,2420) 2045.16,2420 2064.86,2439.7 2354.22,2439.7 2378.62,2415.3 2775,2415.3 2777.89,2415.3 ccw(c2777.89,2423.19) 2785.78,2423.19 2785.78,2441.33 cw(c2793.67,2441.33) 2801.56,2441.33 2801.56,2364.19 ccw(c2809.45,2364.19) 2817.35,2364.19 2817.35,2441.33 cw(c2825.24,2441.33) 2833.13,2441.33 2833.13,2364.19 ccw(c2841.02,2364.19) 2848.91,2364.19 2848.91,2441.33 cw(c2856.8,2441.33) 2864.69,2441.33 2864.69,2364.19 ccw(c2872.58,2364.19) 2880.47,2364.19 2880.47,2441.33 cw(c2888.36,2441.33) 2896.25,2441.33 2896.25,2364.19 ccw(c2904.14,2364.19) 2912.03,2364.19 2912.03,2441.33 cw(c2919.93,2441.33) 2927.82,2441.33 2927.82,2366 ccw(c2935.71,2366) 2943.6,2366 2943.6,2423.19 cw(c2951.49,2423.19) 2959.38,2423.19 ccw(c2967.27,2423.19) 2967.27,2415.3 2990.3,2415.3 v1(3085,2510)
  Bottom Layer w5.93: v1(3085,2510) 3087.75,2512.75 cw(c3091.94,2508.56) 3091.94,2514.49 U2.38@3151,2514.49
SDNCAS: U1.160 U2.17 | length 2478.3
  Top Layer w5.93: U1.160@2511.97,2948.27 2686.53,2948.27 2686.53,2946.65 v1(2690,2943.18)
  Bottom Layer w5.93: v1(2690,2943.18) 2691.82,2945 2780,2945 2840.48,2884.52 2849.76,2875.24 cw(c2844.13,2869.61) 2844.13,2861.64 2819.65,2861.64 ccw(c2819.65,2853.68) 2819.65,2845.72 2908.79,2845.72 cw(c2908.79,2837.75) 2908.79,2829.79 2814.96,2829.79 ccw(c2814.96,2821.83) 2814.96,2813.86 2921.69,2813.86 cw(c2921.69,2805.9) 2921.69,2797.93 2814.96,2797.93 ccw(c2814.96,2789.97) 2814.96,2782.01 2921.69,2782.01 cw(c2921.69,2774.04) 2921.69,2766.08 2814.96,2766.08 ccw(c2814.96,2758.11) 2814.96,2750.15 2921.69,2750.15 cw(c2921.69,2742.19) 2921.69,2734.22 2814.96,2734.22 ccw(c2814.96,2726.26) 2814.96,2718.29 2921.69,2718.29 cw(c2921.69,2710.33) 2921.69,2702.37 2814.96,2702.37 ccw(c2814.96,2694.4) 2814.96,2686.44 2921.69,2686.44 cw(c2921.69,2678.48) 2921.69,2670.51 2814.96,2670.51 ccw(c2814.96,2662.55) 2814.96,2654.58 2921.69,2654.58 cw(c2921.69,2646.62) 2929.66,2646.62 cw(c2921.69,2646.62) 2921.69,2638.66 2865.08,2638.66 ccw(c2865.08,2630.69) 2865.08,2622.73 2888.05,2622.73 cw(c2888.05,2614.76) 2893.68,2609.13 2875.55,2591 2799.04,2514.49 U2.17@2699,2514.49
SDNE1: U1.83 U2.19 | length 2478.2
  Top Layer w5.93: U1.83@1508.03,2515.2 1719.8,2515.2 v1(1725,2510)
  Bottom Layer w5.93: v1(1725,2510) 1779.5,2510 1834.75,2454.75 1853.64,2454.75 cw(c1853.64,2446.78) 1861.6,2446.78 1861.6,2440.61 ccw(c1869.57,2440.61) 1877.53,2440.61 1877.53,2469.53 cw(c1885.5,2469.53) 1893.46,2469.53 1893.46,2440.61 ccw(c1901.42,2440.61) 1909.39,2440.61 1909.39,2446.78 cw(c1917.35,2446.78) 1925.32,2446.78 1925.32,2403.71 ccw(c1933.28,2403.71) 1941.24,2403.71 1941.24,2446.78 cw(c1949.21,2446.78) 1957.17,2446.78 1957.17,2403.71 ccw(c1965.14,2403.71) 1973.1,2403.71 1973.1,2446.78 cw(c1981.06,2446.78) 1989.03,2446.78 1989.03,2403.71 ccw(c1996.99,2403.71) 2004.95,2403.71 2004.95,2446.78 cw(c2012.92,2446.78) 2012.92,2454.75 2076.63,2454.75 cw(c2076.63,2446.78) 2084.59,2446.78 2084.59,2403.71 ccw(c2092.56,2403.71) 2100.52,2403.71 2100.52,2446.78 cw(c2108.49,2446.78) 2116.45,2446.78 2116.45,2403.71 ccw(c2124.41,2403.71) 2132.38,2403.71 2132.38,2446.78 cw(c2140.34,2446.78) 2148.31,2446.78 2148.31,2403.71 ccw(c2156.27,2403.71) 2164.23,2403.71 2164.23,2446.78 cw(c2172.2,2446.78) 2180.16,2446.78 2180.16,2403.71 ccw(c2188.12,2403.71) 2196.09,2403.71 2196.09,2446.78 cw(c2204.05,2446.78) 2204.05,2454.75 2235,2454.75 2274.75,2454.75 2276.84,2456.84 ccw(c2271.21,2462.48) 2276.84,2468.11 2271.87,2473.08 cw(c2277.5,2478.71) 2271.87,2484.34 cw(c2277.5,2478.71) 2283.13,2484.34 2324.2,2443.28 ccw(c2329.83,2448.91) 2335.46,2443.28 ccw(c2329.83,2448.91) 2335.46,2454.54 2310.63,2479.37 cw(c2316.26,2485) 2310.63,2490.63 cw(c2316.26,2485) 2321.9,2490.63 2352.35,2460.18 ccw(c2357.98,2465.81) 2363.61,2460.18 ccw(c2357.98,2465.81) 2363.61,2471.44 2333.16,2501.9 cw(c2338.79,2507.53) 2333.16,2513.16 cw(c2338.79,2507.53) 2344.42,2513.16 2358.33,2499.25 ccw(c2363.96,2504.88) 2369.59,2499.25 ccw(c2363.96,2504.88) 2369.59,2510.51 2355.68,2524.42 cw(c2361.31,2530.05) 2355.68,2535.68 cw(c2361.31,2530.05) 2366.95,2535.68 2380.66,2521.96 ccw(c2386.3,2527.6) 2391.93,2521.96 ccw(c2386.3,2527.6) 2391.93,2533.23 2378.21,2546.95 cw(c2383.84,2552.58) 2378.21,2558.21 cw(c2383.84,2552.58) 2389.47,2558.21 2402.95,2544.73 ccw(c2408.58,2550.36) 2414.21,2544.73 ccw(c2408.58,2550.36) 2414.21,2556 2413.8,2556.4 cw(c2419.43,2562.04) 2419.43,2570 2447.22,2570 ccw(c2472.01,2745.95) 2510.53,2572.49 ccw(c2509.24,2578.27) 2512.29,2573.19 cw(c2522.91,2555.44) 2520.13,2575.93 cw(c2520.93,2570.06) 2520.96,2575.99 2695.07,2575.99 ccw(c2695.07,2581.92) 2698.91,2577.4 U2.19@2699,2577.48
SDNRAS: U1.59 U2.18 | length 2167.3
  Top Layer w5.93: U1.59@1508.03,2987.64 1552.6,2987.64 1567.2,3002.23 v1(1620,3002.23)
  Layer 3 w5.78: v1(1620,3002.23) 1672.07,3054.31 cw(c1676.16,3050.22) 1676.16,3056 2631.61,3056 cw(c2631.61,3050.22) 2635.69,3054.31 2670,3020 2672.04,3017.96 ccw(c2677.62,3023.54) 2683.2,3017.96 2713.76,3048.52 cw(c2719.34,3042.94) 2724.92,3048.52 cw(c2719.34,3042.94) 2724.92,3037.36 2652.64,2965.08 ccw(c2658.22,2959.5) 2652.64,2953.92 ccw(c2658.22,2959.5) 2663.8,2953.92 2736.08,3026.2 cw(c2741.66,3020.62) 2747.24,3026.2 cw(c2741.66,3020.62) 2747.24,3015.04 2705.74,2973.53 ccw(c2711.32,2967.95) 2705.74,2962.37 ccw(c2711.32,2967.95) 2716.9,2962.37 2728.97,2974.45 cw(c2734.55,2968.87) 2740.13,2974.45 cw(c2734.55,2968.87) 2740.13,2963.29 2739,2962.16 ccw(c2744.58,2956.58) 2739,2951 2770,2920 2790,2900 v1(2790,2875)
  Bottom Layer w5.93: U2.18@2699,2545.98 2736.69,2545.98 2790,2599.29 v1(2790,2875)
SDNWE: U1.32 U2.16 | length 2188.5
  Top Layer w5.93: U1.32@1822.99,3341.97 1822.99,3252.01 1970,3105 v1(1970,2900)
  Layer 3 w5.78: v1(1970,2900) 2064.93,2900 2120,2844.93 2120,2790 2122.04,2787.96 ccw(c2127.62,2793.54) 2133.2,2787.96 2139.58,2794.33 cw(c2145.16,2788.75) 2150.74,2794.33 cw(c2145.16,2788.75) 2150.74,2783.17 2102.64,2735.08 ccw(c2108.22,2729.5) 2102.64,2723.92 ccw(c2108.22,2729.5) 2113.8,2723.92 2186.08,2796.2 cw(c2191.66,2790.62) 2197.24,2796.2 cw(c2191.66,2790.62) 2197.24,2785.04 2124.96,2712.76 ccw(c2130.54,2707.18) 2124.96,2701.6 ccw(c2130.54,2707.18) 2136.12,2701.6 2208.4,2773.88 cw(c2213.98,2768.3) 2219.56,2773.88 cw(c2213.98,2768.3) 2219.56,2762.72 2147.28,2690.44 ccw(c2152.86,2684.86) 2147.28,2679.28 ccw(c2152.86,2684.86) 2158.44,2679.28 2228.42,2749.26 cw(c2234,2743.69) 2239.58,2749.27 cw(c2234,2743.69) 2239.58,2738.11 2200.16,2698.68 ccw(c2205.74,2693.1) 2200.16,2687.52 ccw(c2205.74,2693.1) 2211.32,2687.52 cw(c2216.9,2681.94) 2222.48,2687.52 2237.5,2672.5 2329.31,2580.69 ; 2329.33,2580.67 ccw(c2333.39,2584.78) 2333.39,2579 2620.61,2579 cw(c2620.61,2573.22) 2624.69,2577.31 v1(2653,2549)
  Bottom Layer w5.93: v1(2653,2549) 2653,2497 2667.01,2482.99 U2.16@2699,2482.99
SWCLK: P1.7 U1.137 | length 1186.5
  Top Layer w5.93: U1.137@2511.97,2495.51 2512.69,2494.79 2534.46,2494.79 cw(c2534.46,2469.25) 2560,2469.12 2560.13,2468.91 cw(c2555.07,2465.83) 2561,2465.83 2561,2217.46 ccw(c2566.93,2217.46) 2562.74,2213.26 2604.24,2171.76 cw(c2600.07,2167.54) 2606,2167.54 v1(2606,2120)
  Layer 3 w5.93: P1.7@2070,1770 2070,1898.11 2291.89,2120 v1(2606,2120)
SWDIO: P1.6 U1.124 | length 871.3
  Top Layer w5.93: v1(2224,2409) 2229.4,2409 cw(c2229.4,2403.07) 2233.62,2407.24 2273.98,2366.87 cw(c2269.82,2362.65) 2275.75,2362.65 U1.124@2275.75,2338.03
  Bottom Layer w5.93: P1.6@2020,1770 2020,2293.08 2074.18,2347.26 cw(c2078.37,2343.07) 2078.37,2349 2155.49,2349 2164,2349 v1(2224,2409)
TOUCH-1: J2.1 U1.92 | length 354
  Top Layer w5.93: v1(1641.66,2254.27) 1645.83,2260.89 U1.92@1645.83,2338.03
  Bottom Layer w5.93: J2.1@1487.05,2071.21 1487.05,2137.05 1604.27,2254.27 v1(1641.66,2254.27)
TOUCH-2: J2.4 U1.93 | length 499.6
  Top Layer w5.93: U1.93@1665.51,2338.03 1665.51,2274.19 v1(1674.71,2265)
  Bottom Layer w5.93: J2.4@1487.05,2012.16 1603.94,2012.16 1702.26,2110.48 ccw(c1698.07,2114.67) 1704,2114.67 1704,2233.25 ccw(c1698.07,2233.25) 1702.26,2237.44 v1(1674.71,2265)
USART1_DE: P1.10 U1.123 | length 582.7
  Top Layer w5.93: v1(2253.9,2272.34) 2254.98,2273.42 2254.98,2336.95 U1.123@2256.06,2338.03
  Bottom Layer w5.93: P1.10@2220,1770 2220,2226.36 cw(c2225.93,2226.36) 2221.74,2230.55 2253.9,2262.72 v1(2253.9,2272.34)
USART1_RX: P1.9 U1.121 | length 587.1
  Top Layer w5.93: v1(2216.47,2265.39) 2216.58,2265.51 2216.58,2337.92 U1.121@2216.69,2338.03
  Bottom Layer w5.93: P1.9@2170,1770 2170,2213.96 cw(c2175.93,2213.96) 2171.74,2218.15 2216.47,2262.89 v1(2216.47,2265.39)
USART1_TX: P1.8 U1.120 | length 613.1
  Top Layer w5.93: v1(2154,2260) 2157.29,2259 2175.04,2259 2195.77,2279.74 2195.77,2336.8 U1.120@2197.01,2338.03
  Bottom Layer w5.93: P1.8@2120,1770 2120,2223.54 cw(c2125.93,2223.54) 2121.74,2227.74 v1(2154,2260)
USART3_DE: P1.16 U1.94 | length 1157
  Top Layer w5.93: 1685.2,2309.3 ccw(c1702.2,2309.3) 1692.93,2295.05 cw(c1680.84,2276.47) 1703,2276.39 1703,2178.46 ccw(c1708.93,2178.46) 1704.74,2174.26 1974,1905 2385,1905 2518,1772 2522,1772 P1.16@2520,1770 ; 1685.2,2309.35 U1.94@1685.2,2338.03
USART3_RX: P1.14 U1.140 | length 890.2
  Top Layer w5.93: U1.140@2511.97,2554.57 2513.25,2553.28 2556.26,2553.28 v1(2560.79,2551.21)
  Bottom Layer w5.93: P1.14@2420,1770 2420,2109.54 cw(c2425.93,2109.54) 2421.74,2113.74 2561.26,2253.26 ccw(c2557.07,2257.46) 2563,2257.46 2563,2546.54 v1(2560.79,2551.21)
USART3_TX: P1.15 U1.139 | length 931.2
  Top Layer w5.93: U1.139@2511.97,2534.88 2542.08,2534.88 2554.96,2522 2585,2522 v1(2604,2541)
  Bottom Layer w5.93: P1.15@2470,1770 2470,2064.54 cw(c2475.93,2064.54) 2471.74,2068.74 2602.26,2199.26 ccw(c2598.07,2203.45) 2604,2203.45 v1(2604,2541)
VDDA: C15.1 C22.2 R3.1 U1.39 | length 493.4
  Top Layer w5.93: v1(1546,3379) 1672.07,3379 1685,3366.07 1685,3342.17 U1.39@1685.2,3341.97
  Bottom Layer w5.93: v1(1546,3379) 1607.17,3379 1651.57,3423.41 C22.2@1651.57,3465 ; C15.1@1671.57,3545 1651.57,3525 C22.2@1651.57,3465 ; R3.1@1720.55,3460 1656.57,3460 C22.2@1651.57,3465
VREF: C6.1 C16.2 R3.2 U1.38 | length 411
  Top Layer w5.93: v1(1697.76,3297.67) 1701.23,3301.14 1704.88,3301.14 U1.38@1704.88,3341.97
  Bottom Layer w5.93: v1(1697.76,3297.67) 1701.23,3301.14 1705,3301.14 1705,3362.54 cw(c1710.93,3362.54) 1706.74,3366.74 1776.26,3436.26 ccw(c1772.08,3440.46) 1778.01,3440.46 1778.01,3448.56 R3.2@1789.45,3460 C16.2@1858.43,3460 1858.43,3548.43 C6.1@1856.85,3550
VSYNC: J1.33 U1.11 | length 933.1
  Top Layer w5.93: U1.11@2236.38,3341.97 2236.38,3293.66 2245,3285.04 v1(2244.98,3254.98)
  Bottom Layer w5.93: v1(2244.98,3254.98) 2251.22,3248.78 2251.22,3235 2251.22,3216.11 cw(c2243.26,3216.11) 2243.26,3208.14 2238.89,3208.14 ccw(c2238.89,3200.18) 2238.89,3192.22 2256.5,3192.22 cw(c2256.5,3184.25) 2256.5,3176.29 2238.89,3176.29 ccw(c2238.89,3168.32) 2238.89,3160.36 2256.5,3160.36 cw(c2256.5,3152.4) 2256.5,3144.43 2238.89,3144.43 ccw(c2238.89,3136.47) 2238.89,3128.5 2256.5,3128.5 cw(c2256.5,3120.54) 2256.5,3112.58 2238.89,3112.58 ccw(c2238.89,3104.61) 2238.89,3096.65 2256.5,3096.65 cw(c2256.5,3088.69) 2256.5,3080.72 2238.89,3080.72 ccw(c2238.89,3072.76) 2238.89,3064.79 2256.5,3064.79 cw(c2256.5,3056.83) 2256.5,3048.87 2238.89,3048.87 ccw(c2238.89,3040.9) 2238.89,3032.94 2243.26,3032.94 cw(c2243.26,3024.97) 2251.22,3024.97 2251.22,3009.99 2250.04,3008.81 2250.04,2711.18 J1.33@2251.22,2710
pads on no net: J1.3 J1.35 J1.36 J1.37 J1.38 J1.39 J1.40 J2.S1 J2.S2 U1.1 U1.2 U1.7 U1.8 U1.9 U1.10 U1.33 U1.34 U1.35 U1.40 U1.44 U1.45 U1.46 U1.50 U1.51 U1.53 U1.54 U1.55 U1.85 U1.86 U1.89 U1.95 U1.99 U1.106 U1.107 U1.114 U1.115 U1.117 U1.122 U1.128 U1.130 U1.132 U1.134 U1.138 U1.141 U1.144 U1.145 U1.146 U1.147 U1.151 U1.152 U1.153 U1.156 U1.157 U1.161 U1.162 U1.163 U1.165 U1.174 U1.175 U1.176 U2.36 U2.40
copper on no net: | length 68.5
  Top Layer w5.93: v1(1440,3085) 1440.53,3085.53 1507.5,3085.53 1508.03,3086.06

## Polygon pours and split planes (outlines as drawn)
GND on Top Layer "GND_L01_P000" (solid, pour order 0): 1526.52,3615 2050,3615 2050,3514 2050,3471.16 1971.23,3363 1527.52,3363
GND on Layer 1 (split plane): 3223.22,1713.1 1310.4,1713.1 1310.4,3624.9 3223.22,3624.9
3V3 on Layer 4 (split plane): 3223.22,1713.1 1310.4,1713.1 1310.4,3624.9 3223.22,3624.9
GND on Layer 2 (split plane): 3223.22,1713.1 1310.4,1713.1 1310.4,3624.9 3223.22,3624.9

## Keep-outs
Keep-Out Layer:
  lines w10: 1290,1689.25 3243.49,1693.35 3243.2,3644.93 1290,3645.06 1290,1689.25

## Other copper
Top Layer:
  pour cut-out: 1687,3434.03 1905.33,3434.03 1905.33,3570.94 1687,3570.99

## Silkscreen, mask and mechanical layers (free items; w line width, h text height)
Top Overlay:
  text "GND" at 2748,1814.74 h40 r90
  text "24V" at 1788,1814.15 h40 r90
  text "3V3" at 1836.58,1814.15 h40 r90
  text "GND" at 1887.16,1814.15 h40 r90
  text "NRST" at 1937.74,1814.15 h40 r90
  text "BOOT-0" at 1988.32,1814.15 h40 r90
  text "SWDIO" at 2038.89,1814.15 h40 r90
  text "SWCLK" at 2089.47,1814.15 h40 r90
  text "UART1-TX" at 2140.05,1814.15 h40 r90
  text "UART1-RX" at 2190.63,1814.15 h40 r90
  text "UART1-DE" at 2241.21,1814.15 h40 r90
  text "I2C-SDL" at 2291.79,1814.15 h40 r90
  text "I2C-SDA" at 2342.37,1814.15 h40 r90
  text "GPIO" at 2392.95,1814.15 h40 r90
  text "UART3-TX" at 2443.53,1814.15 h40 r90
  text "UART3-RX" at 2494.1,1814.15 h40 r90
  text "UART3-DE" at 2544.68,1814.15 h40 r90
  text "GND" at 2595.26,1814.15 h40 r90
  text "3V3" at 2645.84,1814.15 h40 r90
  text "3V3" at 2696.42,1814.15 h40 r90

## Text inside footprints (layer, text, board x,y; h text height)
U1: Top Overlay "pin 1" at 2448.55,3390 h20 r270
U2: Bottom Overlay "*" at 2669.15,1986.07 h50 r180; Mechanical 13 "*" at 2725,2031.5 h50 r180